# KiCad board z80.kicad_pcb
title: z80 Main Board; date: 2023-11-20; rev: 1.0; company: Tristan van de Weg
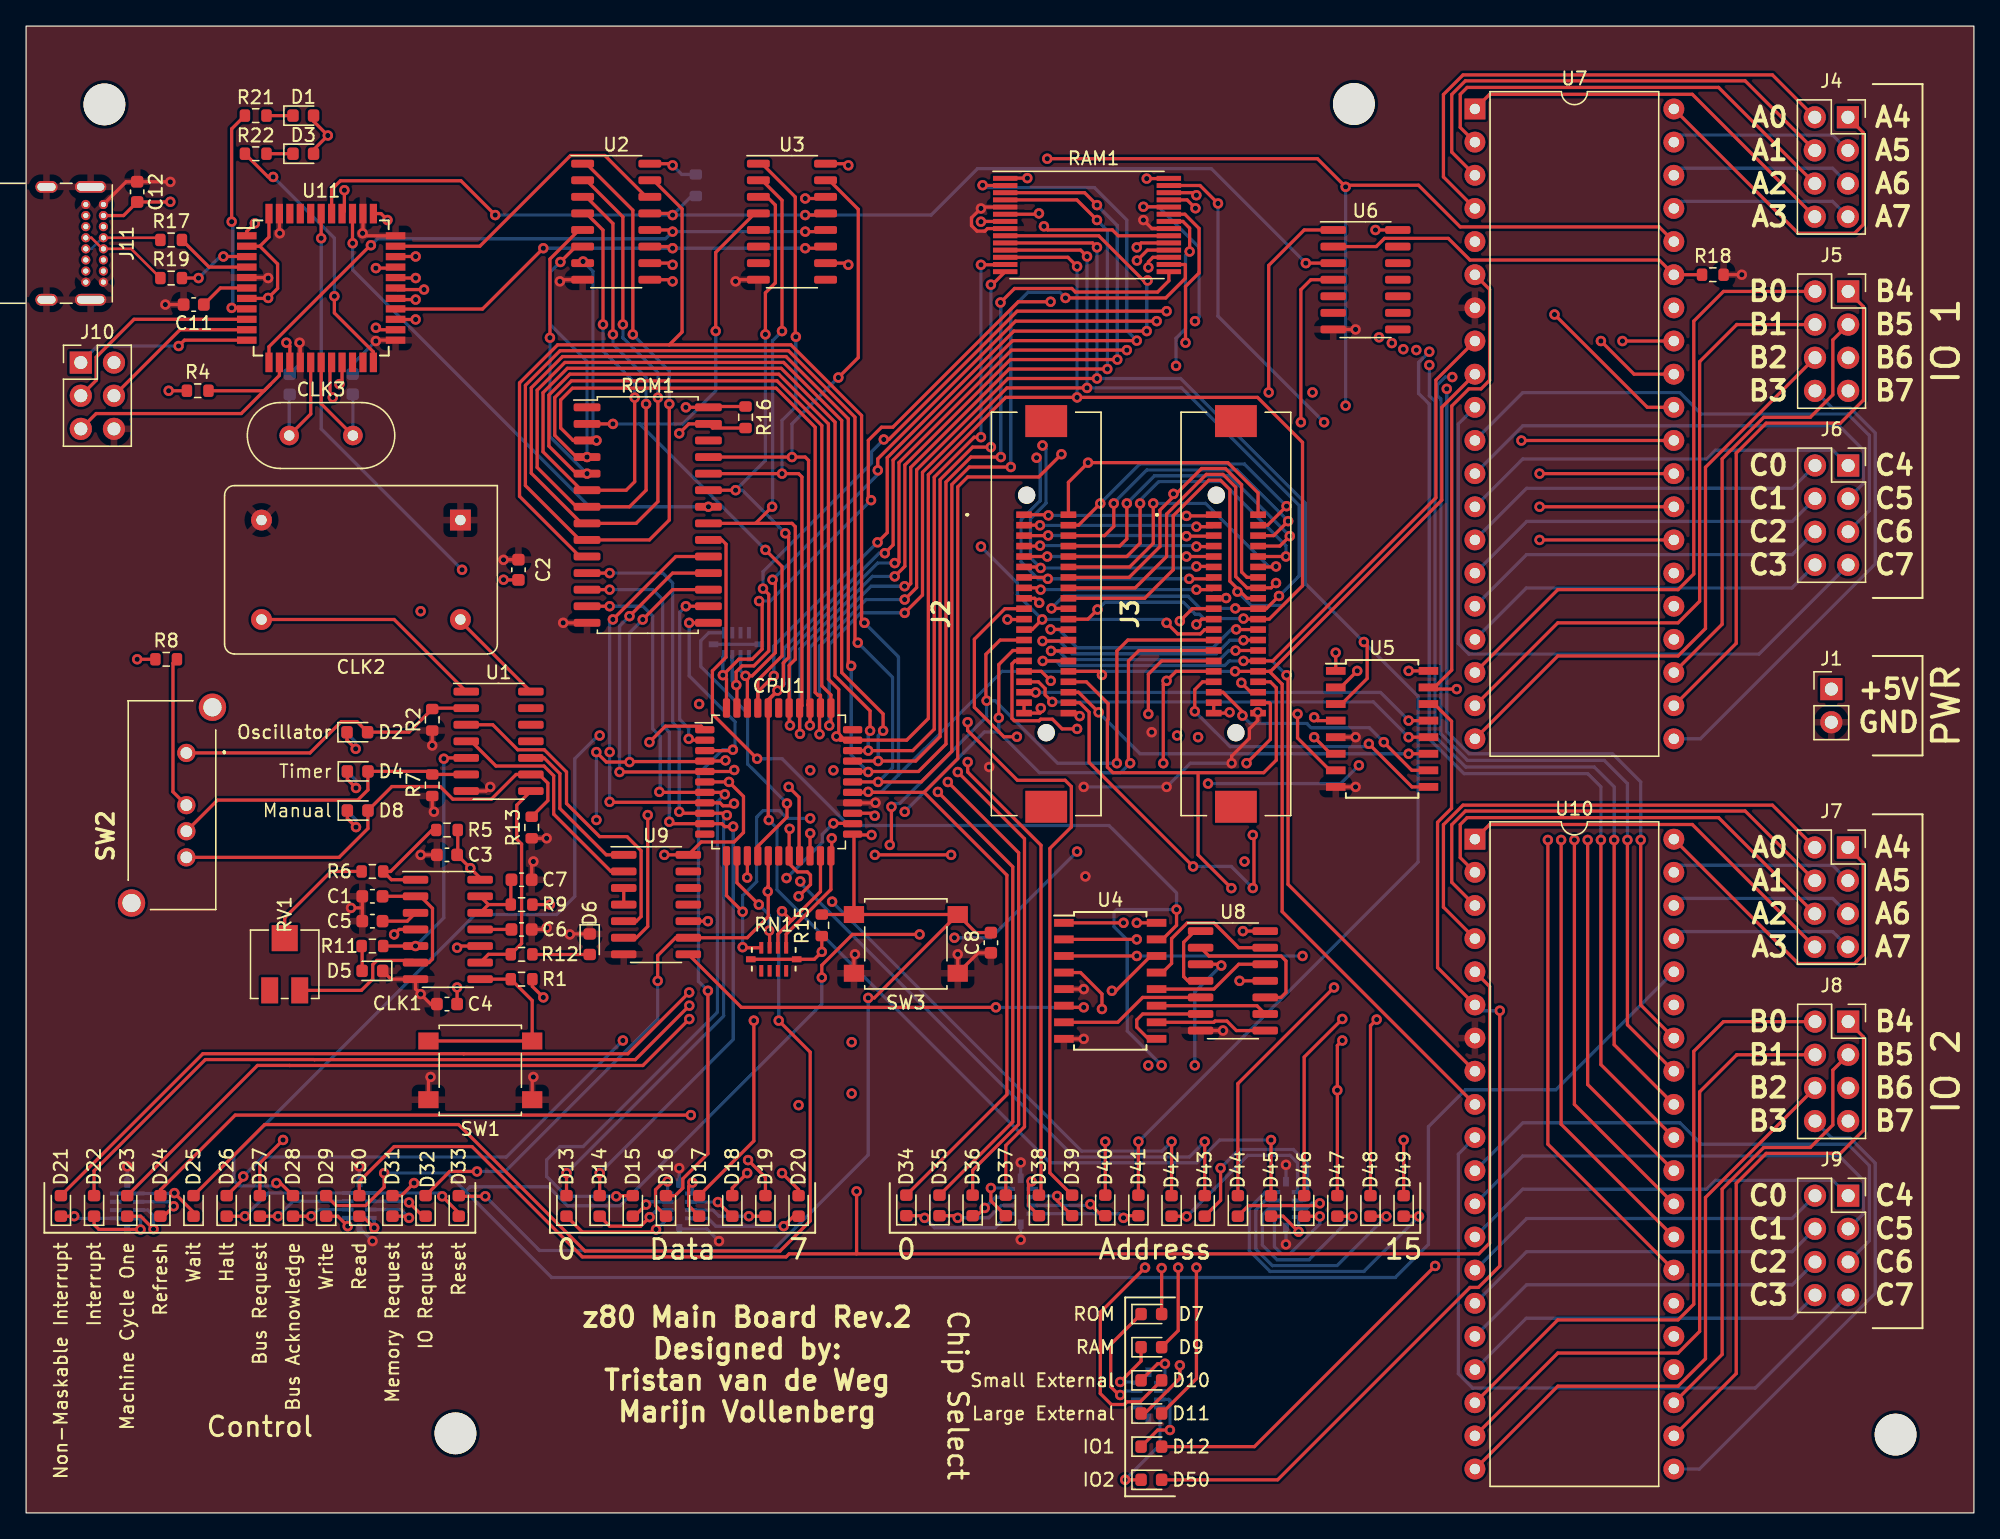
[diagram p0: board, top side]
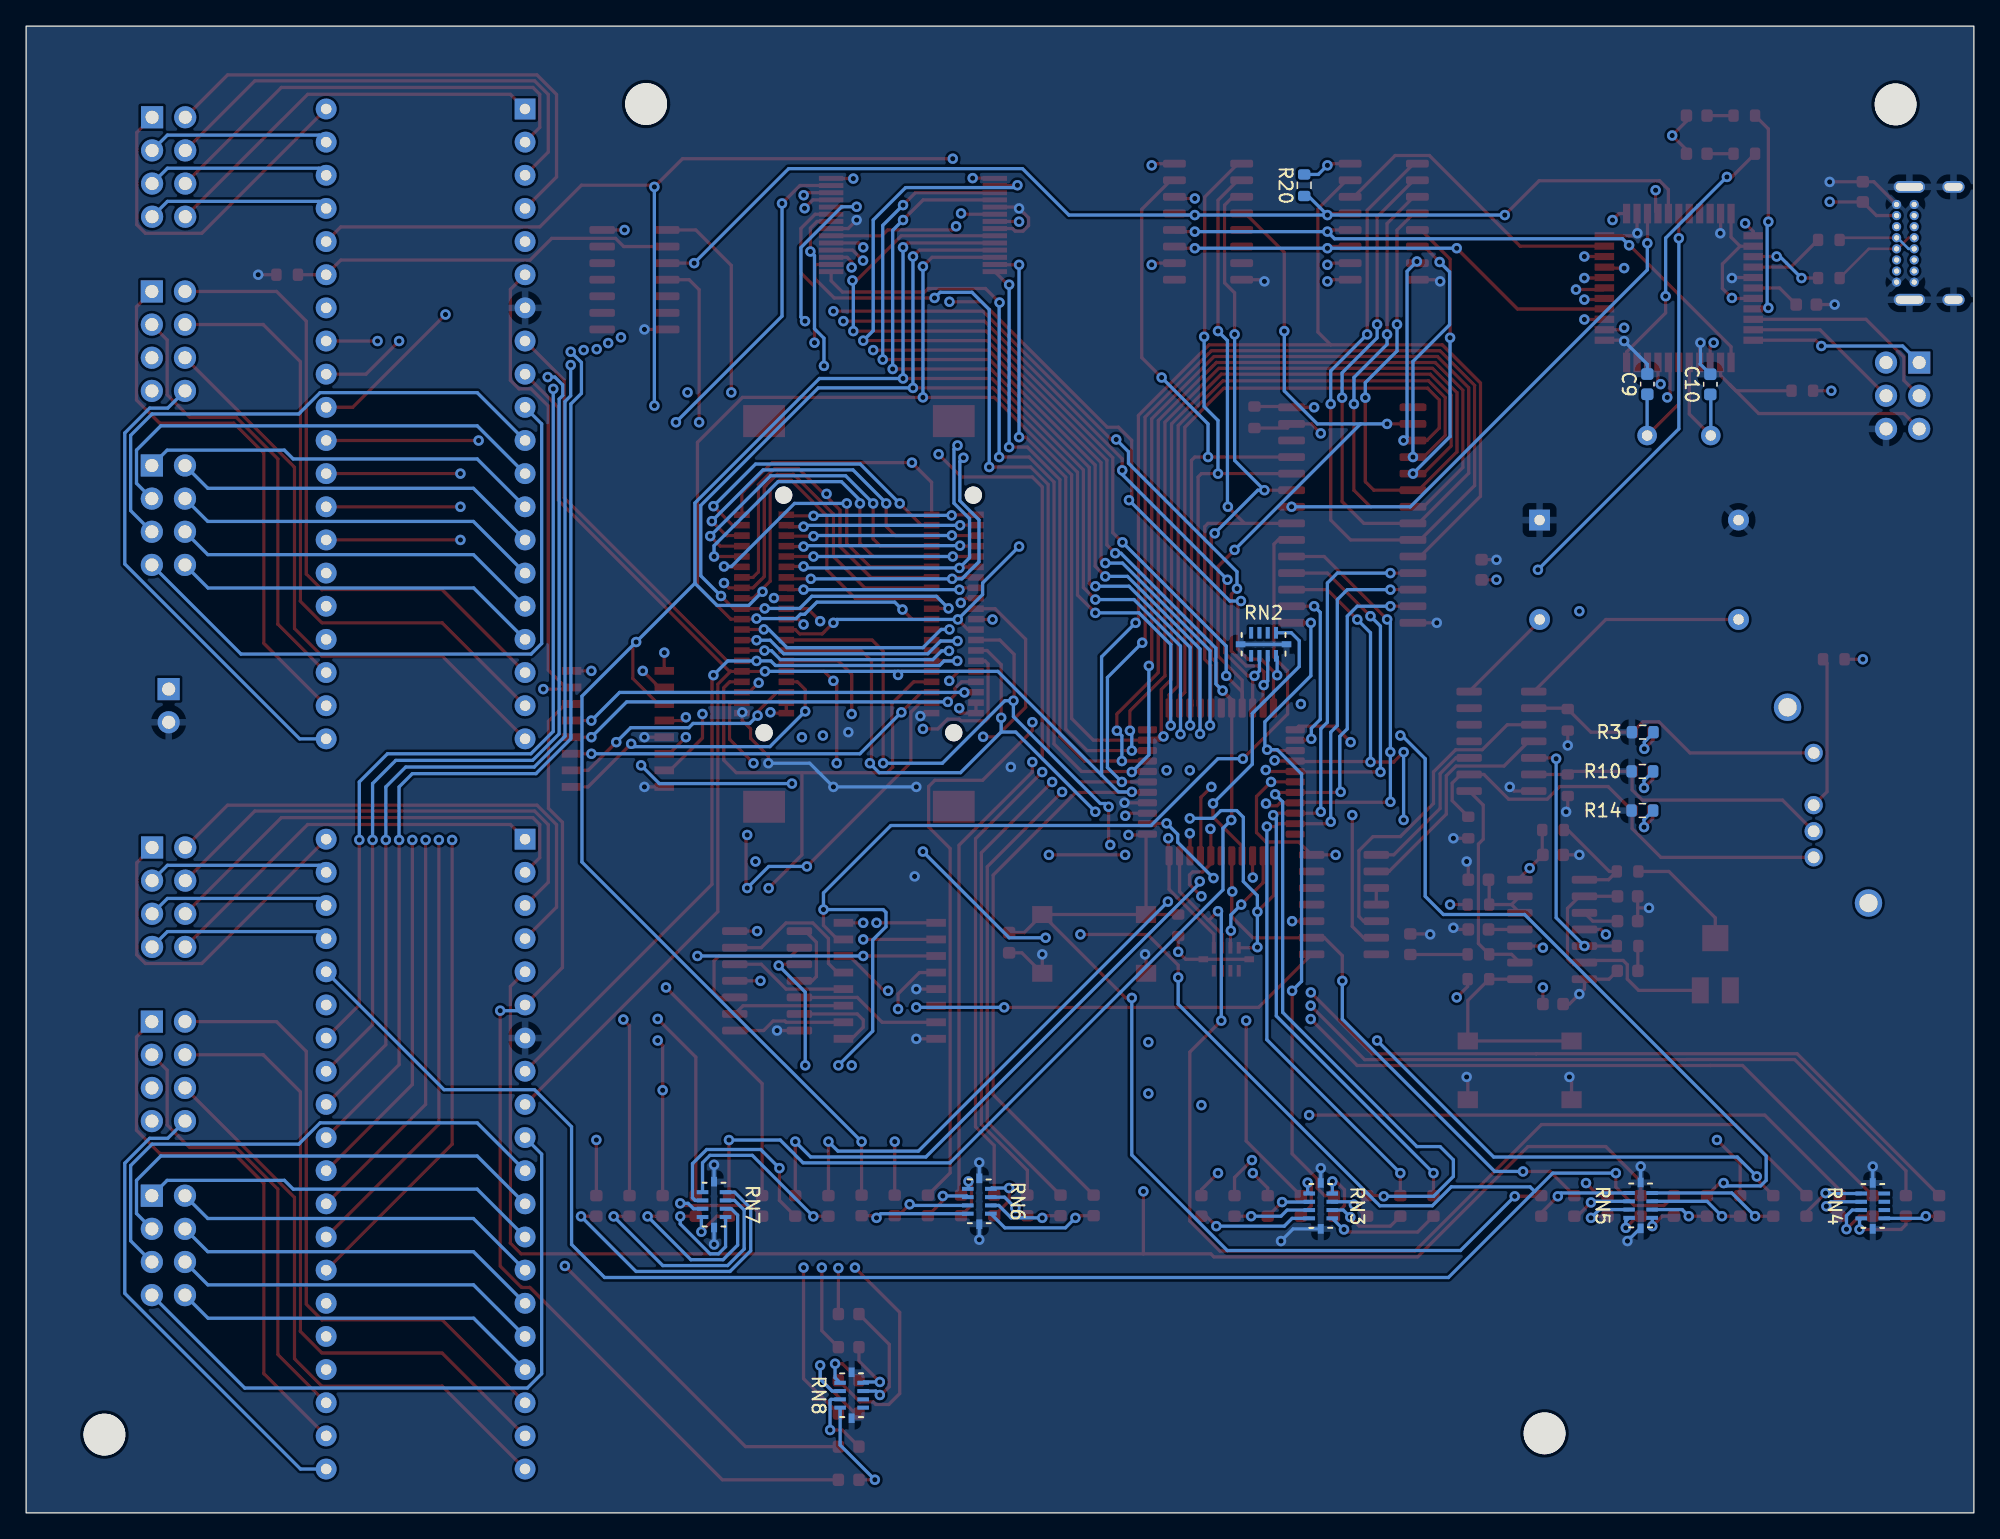
[diagram p1: board, bottom side, seen from below]

Outline 149.23 x 113.92 mm; copper layers: F.Cu-Address, In1.Cu-GND (plane), In2.Cu-5V (plane), B.Cu-Data. Coordinates in mm from the lower left corner of the outline.
Outline path: rectangle 0,113.92 149.23,0
Stack: F.Cu-Address 0.035mm / dielectric 0.1mm FR4 er 4.5 / In1.Cu-GND 0.035mm / dielectric 1.24mm FR4 er 4.5 / In2.Cu-5V 0.035mm / dielectric 0.1mm FR4 er 4.5 / B.Cu-Data 0.035mm

## Placement (name value [footprint] x y rotation side)
C1  1uF  [C_0603_1608Metric]  26.53 47.24 180 top
C2  0.1uF  [C_0603_1608Metric]  37.72 72.26 270 top
C3  0.1uF  [C_0603_1608Metric]  32.25 50.42 0 top
C4  0.1uF  [C_0603_1608Metric]  32.25 38.99 0 top
C5  0.1uF  [C_0603_1608Metric]  26.53 45.34 180 top
C6  0.1uF  [C_0603_1608Metric]  37.96 44.7 0 top
C7  0.1uF  [C_0603_1608Metric]  37.96 48.51 180 top
C8  1uF  [C_0603_1608Metric]  73.91 43.69 90 top
C9  22pF  [C_0603_1608Metric]  25.02 86.49 90 bottom
C10  22pF  [C_0603_1608Metric]  20.19 86.47 90 bottom
C11  1uF  [C_0603_1608Metric]  12.84 92.58 180 top
C12  1uF  [C_0603_1608Metric]  8.51 101.22 270 top
CLK1  NE556  [SOIC-14_3.9x8.7mm_P1.27mm]  32.31 44.7 0 top
CLK2  TFT680  [Oscillator_DIP-14]  33.27 76.07 180 top
CLK3  16MHz  [Crystal_HC49-U_Vertical]  20.16 82.55 0 top
CPU1  Z84C0010AEG  [LQFP-44_10x10mm_P0.8mm]  57.66 56.01 0 top
D1  LED_Red  [LED_0603_1608Metric]  21.23 107.06 0 top
D2  LED_Blue  [LED_0603_1608Metric]  25.37 59.82 0 top
D3  LED_Red  [LED_0603_1608Metric]  21.23 104.14 0 top
D4  LED_Blue  [LED_0603_1608Metric]  25.4 56.82 0 top
D5  LED_Blue  [LED_0603_1608Metric]  26.53 41.53 180 top
D6  LED_Blue  [LED_0603_1608Metric]  43.18 43.57 270 top
D7  LED_Green  [LED_0603_1608Metric]  86.21 15.24 0 top
D8  LED_Blue  [LED_0603_1608Metric]  25.4 53.82 0 top
D9  LED_Green  [LED_0603_1608Metric]  86.21 12.7 0 top
D10  LED_Green  [LED_0603_1608Metric]  86.21 10.16 0 top
D11  LED_Green  [LED_0603_1608Metric]  86.21 7.62 0 top
D12  LED_Green  [LED_0603_1608Metric]  86.21 5.08 0 top
D13  LED_Yellow  [LED_0603_1608Metric]  41.4 23.52 90 top
D14  LED_Yellow  [LED_0603_1608Metric]  43.94 23.52 90 top
D15  LED_Yellow  [LED_0603_1608Metric]  46.48 23.52 90 top
D16  LED_Yellow  [LED_0603_1608Metric]  49.02 23.52 90 top
D17  LED_Yellow  [LED_0603_1608Metric]  51.56 23.52 90 top
D18  LED_Yellow  [LED_0603_1608Metric]  54.1 23.52 90 top
D19  LED_Yellow  [LED_0603_1608Metric]  56.64 23.52 90 top
D20  LED_Yellow  [LED_0603_1608Metric]  59.18 23.52 90 top
D21  LED_Red  [LED_0603_1608Metric]  2.67 23.52 90 top
D22  LED_Red  [LED_0603_1608Metric]  5.21 23.52 90 top
D23  LED_Red  [LED_0603_1608Metric]  7.75 23.52 90 top
D24  LED_Red  [LED_0603_1608Metric]  10.29 23.52 90 top
D25  LED_Red  [LED_0603_1608Metric]  12.83 23.52 90 top
D26  LED_Red  [LED_0603_1608Metric]  15.37 23.52 90 top
D27  LED_Red  [LED_0603_1608Metric]  17.91 23.52 90 top
D28  LED_Red  [LED_0603_1608Metric]  20.45 23.52 90 top
D29  LED_Red  [LED_0603_1608Metric]  22.99 23.52 90 top
D30  LED_Red  [LED_0603_1608Metric]  25.53 23.52 90 top
D31  LED_Red  [LED_0603_1608Metric]  28.07 23.52 90 top
D32  LED_Red  [LED_0603_1608Metric]  30.61 23.52 90 top
D33  LED_Red  [LED_0603_1608Metric]  33.15 23.52 90 top
D34  LED_Yellow  [LED_0603_1608Metric]  67.44 23.56 90 top
D35  LED_Yellow  [LED_0603_1608Metric]  69.98 23.56 90 top
D36  LED_Yellow  [LED_0603_1608Metric]  72.52 23.56 90 top
D37  LED_Yellow  [LED_0603_1608Metric]  75.06 23.56 90 top
D38  LED_Yellow  [LED_0603_1608Metric]  77.6 23.56 90 top
D39  LED_Yellow  [LED_0603_1608Metric]  80.14 23.56 90 top
D40  LED_Yellow  [LED_0603_1608Metric]  82.68 23.56 90 top
D41  LED_Yellow  [LED_0603_1608Metric]  85.22 23.56 90 top
D42  LED_Yellow  [LED_0603_1608Metric]  87.76 23.52 90 top
D43  LED_Yellow  [LED_0603_1608Metric]  90.3 23.52 90 top
D44  LED_Yellow  [LED_0603_1608Metric]  92.84 23.52 90 top
D45  LED_Yellow  [LED_0603_1608Metric]  95.38 23.52 90 top
D46  LED_Yellow  [LED_0603_1608Metric]  97.92 23.52 90 top
D47  LED_Yellow  [LED_0603_1608Metric]  100.46 23.52 90 top
D48  LED_Yellow  [LED_0603_1608Metric]  103 23.52 90 top
D49  LED_Yellow  [LED_0603_1608Metric]  105.54 23.52 90 top
D50  LED_Green  [LED_0603_1608Metric]  86.21 2.54 0 top
J1  PinHeader_Female01x02  [PinHeader_1x02_P2.54mm_Vertical]  138.3 63.12 0 top
J2  PinHeader_Female16x02  [FX2740S08SV]  78.15 68.88 270 top
J3  PinHeader_Female16x02  [FX2740S08SV]  92.69 68.88 270 top
J4  PinHeader_Female04x02  [PinSocket_2x04_P2.54mm_Vertical]  139.57 106.93 0 top
J5  PinHeader_Female04x02  [PinSocket_2x04_P2.54mm_Vertical]  139.59 93.59 0 top
J6  PinHeader_Female04x02  [PinSocket_2x04_P2.54mm_Vertical]  139.59 80.25 0 top
J7  PinHeader_Female04x02  [PinSocket_2x04_P2.54mm_Vertical]  139.57 50.99 0 top
J8  PinHeader_Female04x02  [PinSocket_2x04_P2.54mm_Vertical]  139.59 37.64 0 top
J9  PinHeader_Female04x02  [PinSocket_2x04_P2.54mm_Vertical]  139.59 24.31 0 top
J10  Conn_02x03_Counter_Clockwise  [PinHeader_2x03_P2.54mm_Vertical]  4.19 88.14 0 top
J11  USB_C_Receptacle_USB2.0  [USB_C_Receptacle_GCT_USB4085]  5.92 100.25 270 top
R1  1K  [R_0603_1608Metric]  37.96 40.89 180 top
R2  10K  [R_0603_1608Metric]  31.11 60.77 90 top
R3  1K  [R_0603_1608Metric]  25.37 59.82 0 bottom
R4  10K  [R_0603_1608Metric]  13.14 85.98 0 top
R5  1K  [R_0603_1608Metric]  32.25 52.32 180 top
R6  1K  [R_0603_1608Metric]  26.53 49.15 0 top
R7  10K  [R_0603_1608Metric]  31.11 55.75 90 top
R8  1K  [R_0603_1608Metric]  10.73 65.41 0 top
R9  2M  [R_0603_1608Metric]  37.96 46.61 180 top
R10  1K  [R_0603_1608Metric]  25.4 56.82 0 bottom
R11  10K  [R_0603_1608Metric]  26.53 43.43 0 top
R12  10K  [R_0603_1608Metric]  37.96 42.8 0 top
R13  10K  [R_0603_1608Metric]  38.73 52.51 90 top
R14  1K  [R_0603_1608Metric]  25.4 53.82 0 bottom
R15  1K  [R_0603_1608Metric]  60.96 45.02 270 top
R16  10K  [R_0603_1608Metric]  55.12 83.95 270 top
R17  22R  [R_0603_1608Metric]  11.11 97.54 0 top
R18  10K  [R_0603_1608Metric]  129.22 94.87 0 top
R19  22R  [R_0603_1608Metric]  11.11 94.62 0 top
R20  10K  [R_0603_1608Metric]  51.31 101.73 90 bottom
R21  1K  [R_0603_1608Metric]  17.59 107.06 180 top
R22  1K  [R_0603_1608Metric]  17.59 104.14 180 top
RAM1  HM62256BLP  [TSOP-I-28_11.8x8mm_P0.55mm]  81.28 98.68 0 top
REF**  -  [MountingHole_3.2mm_M3]  6 107.92 0 top
REF**#2  -  [MountingHole_3.2mm_M3]  143.23 6 0 top
REF**#3  -  [MountingHole_3.2mm_M3]  32.89 6.1 0 top
REF**#4  -  [MountingHole_3.2mm_M3]  101.73 107.95 0 top
RN1  EXB-D10C102J  [EXB-D10C103J]  57.28 42.42 180 top
RN2  EXB-D10C102J  [EXB-D10C103J]  54.42 66.55 0 bottom
RN3  EXB-D10C102J  [EXB-D10C103J]  50.04 23.52 90 bottom
RN4  EXB-D10C102J  [EXB-D10C103J]  7.75 23.52 270 bottom
RN5  EXB-D10C102J  [EXB-D10C103J]  25.53 23.56 270 bottom
RN6  EXB-D10C102J  [EXB-D10C103J]  76.2 23.88 90 bottom
RN7  EXB-D10C102J  [EXB-D10C103J]  96.52 23.62 270 bottom
RN8  EXB-D10C102J  [EXB-D10C103J]  85.98 9.02 90 bottom
ROM1  AT28C64B-15SU  [SOIC-28W_7.5x17.9mm_P1.27mm]  47.63 76.45 0 top
RV1  1M  [Potentiometer_Vishay_TS53YJ_Vertical]  19.81 42.04 270 top
SW1  SW_Push  [SW_SPST_B3S-1000]  34.8 33.91 180 top
SW2  SW_SP3T  [MHS133G04]  12.28 58.23 90 top
SW3  SW_Push  [SW_SPST_B3S-1000]  67.4 43.6 180 top
U1  4081  [SO-14_3.9x8.65mm_P1.27mm]  36.2 59.12 0 top
U2  74HC595  [SO-16_3.9x9.9mm_P1.27mm]  45.21 98.93 0 top
U3  74HC595  [SO-16_3.9x9.9mm_P1.27mm]  58.67 98.93 0 top
U4  SN74HC138N  [SOIC-16W_5.3x10.2mm_P1.27mm]  83.06 40.77 0 top
U5  SN74HC138N  [SOIC-16W_5.3x10.2mm_P1.27mm]  103.89 60.07 0 top
U6  4069  [SOIC-14_3.9x8.7mm_P1.27mm]  102.62 94.49 0 top
U7  82C55A  [DIP-40_W15.24mm]  111 107.57 0 top
U8  4081  [SO-14_3.9x8.65mm_P1.27mm]  92.46 40.77 0 top
U9  74LS32  [SOIC-14_3.9x8.7mm_P1.27mm]  48.26 46.61 0 top
U10  82C55A  [DIP-40_W15.24mm]  111 51.62 0 top
U11  ATmega32U4RC-A  [TQFP-44_10x10mm_P0.8mm]  22.61 93.85 0 top

## Library data of the parts
C1-C12 = -: Description: Unpolarized capacitor, small symbol
CLK1 = -: Description: Dual Precision Timers, DIP-14/SOIC-14
CLK2 = -: Description: Crystal Clock Oscillator, DIP14-style metal package
CLK3 = -: Description: Two pin crystal
CPU1 = -: Description: 8-bit General Purpose Microprocessor, DIP-40
D1-D4 D7-D50 = -: Description: Light emitting diode, small symbol
D5 D6 = -: Description: Light emitting diode
J1 = -: Description: Generic screw terminal, single row, 01x02, script generated (kicad-library-utils/schlib/autogen/connector/)
J2 J3 = -: Description: Generic connector, double row, 02x20, top/bottom pin numbering scheme (row 1: 1...pins_per_row, row2: pins_per_row+1 ... num_pins), script generated (kicad-library-utils/schlib/autogen/connector/)
J4-J9 = -: Description: Generic connector, double row, 02x04, top/bottom pin numbering scheme (row 1: 1...pins_per_row, row2: pins_per_row+1 ... num_pins), script generated (kicad-library-utils/schlib/autogen/connector/)
J10 = -: Description: Generic connector, double row, 02x03, odd/even pin numbering scheme (row 1 odd numbers, row 2 even numbers), script generated (kicad-library-utils/schlib/autogen/connector/)
J11 = -: Description: USB 2.0-only Type-C Receptacle connector
R1-R22 = -: Description: Resistor, small symbol
RAM1 = -: Description: 32,768-word × 8-bit High Speed CMOS Static RAM, 70ns, DIP-28
RN1-RN8 = -: Description: 8 resistor network, star topology, bussed resistors, small symbol
ROM1 = -: Description: Parallel 8x8KB EEPROM
RV1 = -: Description: Potentiometer
SW1 SW3 = -: Description: Push button switch, generic, two pins
SW2 = -: Description: Switch, three position, single pole triple throw, 3 position switch, SP3T
U1 U8 = -: Description: Quad And 2 inputs
U2 U3 = -: Description: 8-bit serial in/out Shift Register 3-State Outputs
U6 = -: Description: Hex inverter
U7 U10 = -: Description: CHMOS Programmable Peripheral Interface, PDIP-40
U9 = -: Description: Quad 2-input OR
U11 = -: Description: 16MHz, 32kB Flash, 2.5kB SRAM, 1kB EEPROM, USB 2.0, RC Osc, TQFP-44

## Footprints (pads in the part's own frame, mm; a bottom-side part is the same pattern mirrored in y, then rotated)
C_0603_1608Metric
  rrect 0.9x0.95 smd: 1(-0.775,0) 2(0.775,0)
Crystal_HC49-U_Vertical
  round 1.5 hole 0.8: 1(0,0) 2(4.88,0)
DIP-40_W15.24mm
  rect 1.6x1.6 hole 0.8: 1(0,0)
  oval 1.6x1.6 hole 0.8: 2(0,-2.54) 3(0,-5.08) 4(0,-7.62) 5(0,-10.16) 6(0,-12.7) 7(0,-15.24) 8(0,-17.78) 9(0,-20.32) 10(0,-22.86) 11(0,-25.4) 12(0,-27.94) 13(0,-30.48) 14(0,-33.02) 15(0,-35.56) 16(0,-38.1) 17(0,-40.64) 18(0,-43.18) 19(0,-45.72) 20(0,-48.26) 21(15.24,-48.26) 22(15.24,-45.72) 23(15.24,-43.18) 24(15.24,-40.64) 25(15.24,-38.1) 26(15.24,-35.56) 27(15.24,-33.02) 28(15.24,-30.48) 29(15.24,-27.94) 30(15.24,-25.4) 31(15.24,-22.86) 32(15.24,-20.32) 33(15.24,-17.78) 34(15.24,-15.24) 35(15.24,-12.7) 36(15.24,-10.16) 37(15.24,-7.62) 38(15.24,-5.08) 39(15.24,-2.54) 40(15.24,0)
EXB-D10C103J
  rect 0.736x0.459 smd: 1(-1.759,0) 1(1.759,0)
  rect 0.306x0.888 smd: 2(-0.953,-0.882) 3(-0.318,-0.882) 4(0.318,-0.882) 5(0.953,-0.882) 6(0.953,0.882) 7(0.318,0.882) 8(-0.318,0.882) 9(-0.953,0.882)
FX2740S08SV
  round 1.32 hole 1.32 unplated: (-9.1,-1.5) (9.1,0)
  rect 0.5x1.2 smd: 1(-7.6,-1.7) 2(-6.8,-1.7) 3(-6,-1.7) 4(-5.2,-1.7) 5(-4.4,-1.7) 6(-3.6,-1.7) 7(-2.8,-1.7) 8(-2,-1.7) 9(-1.2,-1.7) 10(-0.4,-1.7) 11(0.4,-1.7) 12(1.2,-1.7) 13(2,-1.7) 14(2.8,-1.7) 15(3.6,-1.7) 16(4.4,-1.7) 17(5.2,-1.7) 18(6,-1.7) 19(6.8,-1.7) 20(7.6,-1.7) 21(-7.6,1.7) 22(-6.8,1.7) 23(-6,1.7) 24(-5.2,1.7) 25(-4.4,1.7) 26(-3.6,1.7) 27(-2.8,1.7) 28(-2,1.7) 29(-1.2,1.7) 30(-0.4,1.7) 31(0.4,1.7) 32(1.2,1.7) 33(2,1.7) 34(2.8,1.7) 35(3.6,1.7) 36(4.4,1.7) 37(5.2,1.7) 38(6,1.7) 39(6.8,1.7) 40(7.6,1.7)
  rect 2.45x3.2 smd: MP1(-14.775,0) MP2(14.775,0)
LED_0603_1608Metric
  rrect 0.875x0.95 smd: 1(-0.787,0) 2(0.787,0)
LQFP-44_10x10mm_P0.8mm
  rrect 1.475x0.55 smd: 1(-5.662,4) 2(-5.662,3.2) 3(-5.662,2.4) 4(-5.662,1.6) 5(-5.662,0.8) 6(-5.662,0) 7(-5.662,-0.8) 8(-5.662,-1.6) 9(-5.662,-2.4) 10(-5.662,-3.2) 11(-5.662,-4) 23(5.662,-4) 24(5.662,-3.2) 25(5.662,-2.4) 26(5.662,-1.6) 27(5.662,-0.8) 28(5.662,0) 29(5.662,0.8) 30(5.662,1.6) 31(5.662,2.4) 32(5.662,3.2) 33(5.662,4)
  rrect 0.55x1.475 smd: 12(-4,-5.662) 13(-3.2,-5.662) 14(-2.4,-5.662) 15(-1.6,-5.662) 16(-0.8,-5.662) 17(0,-5.662) 18(0.8,-5.662) 19(1.6,-5.662) 20(2.4,-5.662) 21(3.2,-5.662) 22(4,-5.662) 34(4,5.662) 35(3.2,5.662) 36(2.4,5.662) 37(1.6,5.662) 38(0.8,5.662) 39(0,5.662) 40(-0.8,5.662) 41(-1.6,5.662) 42(-2.4,5.662) 43(-3.2,5.662) 44(-4,5.662)
MHS133G04
  round 1.4 hole 0.9: 1(0,0) 2(-4,0) 3(-6,0) 4(-8,0)
  round 2.1 hole 1.4: MH1(3.5,-2) MH2(-11.5,4.2)
MountingHole_3.2mm_M3
  round 3.2 hole 3.2 unplated: (0,0)
Oscillator_DIP-14
  rect 1.6x1.6 hole 0.8: 1(0,0)
  round 1.6 hole 0.8: 7(15.24,0) 8(15.24,7.62) 14(0,7.62)
PinHeader_1x02_P2.54mm_Vertical
  rect 1.7x1.7 hole 1: 1(0,0)
  oval 1.7x1.7 hole 1: 2(0,-2.54)
PinHeader_2x03_P2.54mm_Vertical
  rect 1.7x1.7 hole 1: 1(0,0)
  oval 1.7x1.7 hole 1: 2(2.54,0) 3(0,-2.54) 4(2.54,-2.54) 5(0,-5.08) 6(2.54,-5.08)
PinSocket_2x04_P2.54mm_Vertical
  rect 1.7x1.7 hole 1: 1(0,0)
  oval 1.7x1.7 hole 1: 2(-2.54,0) 3(0,-2.54) 4(-2.54,-2.54) 5(0,-5.08) 6(-2.54,-5.08) 7(0,-7.62) 8(-2.54,-7.62)
Potentiometer_Vishay_TS53YJ_Vertical
  rect 2x1.3 smd: 1(2,1.15) 3(2,-1.15)
  rect 2x2 smd: 2(-2,0)
R_0603_1608Metric
  rrect 0.8x0.95 smd: 1(-0.825,0) 2(0.825,0)
SO-14_3.9x8.65mm_P1.27mm
  rrect 1.95x0.6 smd: 1(-2.475,3.81) 2(-2.475,2.54) 3(-2.475,1.27) 4(-2.475,0) 5(-2.475,-1.27) 6(-2.475,-2.54) 7(-2.475,-3.81) 8(2.475,-3.81) 9(2.475,-2.54) 10(2.475,-1.27) 11(2.475,0) 12(2.475,1.27) 13(2.475,2.54) 14(2.475,3.81)
SO-16_3.9x9.9mm_P1.27mm
  rrect 1.75x0.6 smd: 1(-2.575,4.445) 2(-2.575,3.175) 3(-2.575,1.905) 4(-2.575,0.635) 5(-2.575,-0.635) 6(-2.575,-1.905) 7(-2.575,-3.175) 8(-2.575,-4.445) 9(2.575,-4.445) 10(2.575,-3.175) 11(2.575,-1.905) 12(2.575,-0.635) 13(2.575,0.635) 14(2.575,1.905) 15(2.575,3.175) 16(2.575,4.445)
SOIC-14_3.9x8.7mm_P1.27mm
  rrect 1.95x0.6 smd: 1(-2.475,3.81) 2(-2.475,2.54) 3(-2.475,1.27) 4(-2.475,0) 5(-2.475,-1.27) 6(-2.475,-2.54) 7(-2.475,-3.81) 8(2.475,-3.81) 9(2.475,-2.54) 10(2.475,-1.27) 11(2.475,0) 12(2.475,1.27) 13(2.475,2.54) 14(2.475,3.81)
SOIC-16W_5.3x10.2mm_P1.27mm
  rect 1.5x0.6 smd: 1(-3.55,4.445) 2(-3.55,3.175) 3(-3.55,1.905) 4(-3.55,0.635) 5(-3.55,-0.635) 6(-3.55,-1.905) 7(-3.55,-3.175) 8(-3.55,-4.445) 9(3.55,-4.445) 10(3.55,-3.175) 11(3.55,-1.905) 12(3.55,-0.635) 13(3.55,0.635) 14(3.55,1.905) 15(3.55,3.175) 16(3.55,4.445)
SOIC-28W_7.5x17.9mm_P1.27mm
  rrect 2.05x0.6 smd: 1(-4.65,8.255) 2(-4.65,6.985) 3(-4.65,5.715) 4(-4.65,4.445) 5(-4.65,3.175) 6(-4.65,1.905) 7(-4.65,0.635) 8(-4.65,-0.635) 9(-4.65,-1.905) 10(-4.65,-3.175) 11(-4.65,-4.445) 12(-4.65,-5.715) 13(-4.65,-6.985) 14(-4.65,-8.255) 15(4.65,-8.255) 16(4.65,-6.985) 17(4.65,-5.715) 18(4.65,-4.445) 19(4.65,-3.175) 20(4.65,-1.905) 21(4.65,-0.635) 22(4.65,0.635) 23(4.65,1.905) 24(4.65,3.175) 25(4.65,4.445) 26(4.65,5.715) 27(4.65,6.985) 28(4.65,8.255)
SW_SPST_B3S-1000
  rect 1.55x1.3 smd: 1(-3.975,2.25) 1(3.975,2.25) 2(-3.975,-2.25) 2(3.975,-2.25)
TQFP-44_10x10mm_P0.8mm
  rect 1.5x0.55 smd: 1(-5.7,4) 2(-5.7,3.2) 3(-5.7,2.4) 4(-5.7,1.6) 5(-5.7,0.8) 6(-5.7,0) 7(-5.7,-0.8) 8(-5.7,-1.6) 9(-5.7,-2.4) 10(-5.7,-3.2) 11(-5.7,-4) 23(5.7,-4) 24(5.7,-3.2) 25(5.7,-2.4) 26(5.7,-1.6) 27(5.7,-0.8) 28(5.7,0) 29(5.7,0.8) 30(5.7,1.6) 31(5.7,2.4) 32(5.7,3.2) 33(5.7,4)
  rect 0.55x1.5 smd: 12(-4,-5.7) 13(-3.2,-5.7) 14(-2.4,-5.7) 15(-1.6,-5.7) 16(-0.8,-5.7) 17(0,-5.7) 18(0.8,-5.7) 19(1.6,-5.7) 20(2.4,-5.7) 21(3.2,-5.7) 22(4,-5.7) 34(4,5.7) 35(3.2,5.7) 36(2.4,5.7) 37(1.6,5.7) 38(0.8,5.7) 39(0,5.7) 40(-0.8,5.7) 41(-1.6,5.7) 42(-2.4,5.7) 43(-3.2,5.7) 44(-4,5.7)
TSOP-I-28_11.8x8mm_P0.55mm
  rect 1.87x0.38 smd: 1(-6.27,-0.275) 2(-6.27,-0.825) 3(-6.27,-1.375) 4(-6.27,-1.925) 5(-6.27,-2.475) 6(-6.27,-3.025) 7(-6.27,-3.575) 8(6.27,-3.575) 9(6.27,-3.025) 10(6.27,-2.475) 11(6.27,-1.925) 12(6.27,-1.375) 13(6.27,-0.825) 14(6.27,-0.275) 15(6.27,0.275) 16(6.27,0.825) 17(6.27,1.375) 18(6.27,1.925) 19(6.27,2.475) 20(6.27,3.025) 21(6.27,3.575) 22(-6.27,3.575) 23(-6.27,3.025) 24(-6.27,2.475) 25(-6.27,1.925) 26(-6.27,1.375) 27(-6.27,0.825) 28(-6.27,0.275)
USB_C_Receptacle_GCT_USB4085
  round 0.7 hole 0.4: A1(0,0) A4(0.85,0) A5(1.7,0) A6(2.55,0) A7(3.4,0) A8(4.25,0) A9(5.1,0) A12(5.95,0) B1(5.95,-1.35) B4(5.1,-1.35) B5(4.25,-1.35) B6(3.4,-1.35) B7(2.55,-1.35) B8(1.7,-1.35) B9(0.85,-1.35) B12(0,-1.35)
  oval 0.9x2.4 hole 0.6x2.1: S1(-1.35,-0.98) S1(7.3,-0.98)
  oval 0.9x1.7 hole 0.6x1.4: S1(-1.35,-4.36) S1(7.3,-4.36)

## Nets
+5V: C2.2 C3.2 C4.2 C12.2 CLK1.4 CLK1.10 CLK1.14 CLK2.14 CPU1.6 D1.2 D3.2 J1.1 J2.19 J2.20 J3.19 J3.20 J10.2 J11.A4 J11.A9 J11.B4 J11.B9 R1.1 R4.1 R5.1 R8.1 R9.1 R15.2 R16.1 R20.2 RAM1.28 RN1.1 ROM1.28 U1.14 U2.10 U2.16 U3.10 U3.16 U4.16 U5.16 U6.14 U7.26 U8.14 U9.14 U10.26 U11.2 U11.7 U11.14 U11.24 U11.34 U11.44
GND: C1.2 C2.1 C3.1 C4.1 C5.2 C6.2 C7.1 C8.1 C9.2 C10.2 C11.2 C12.1 CLK1.7 CLK2.1 CLK2.7 CPU1.26 D5.1 D6.1 J1.2 J2.40 J3.40 J10.6 J11.A1 J11.A12 J11.B1 J11.B12 J11.S1 R2.1 R3.2 R7.1 R10.2 R13.1 R14.2 R18.2 RAM1.1 RAM1.14 RAM1.26 RN2.1 RN3.1 RN4.1 RN5.1 RN6.1 RN7.1 RN8.1 ROM1.14 SW1.1 SW3.1 U1.7 U2.8 U3.8 U4.5 U4.8 U5.5 U5.8 U6.7 U7.7 U8.7 U9.7 U10.7 U11.5 U11.15 U11.23 U11.33 U11.35 U11.43
/A0: CPU1.27 D34.2 J2.36 J3.36 RAM1.10 ROM1.10 U2.15 U7.9 U10.9
/A1: CPU1.28 D35.2 J2.35 J3.35 RAM1.9 ROM1.9 U2.1 U7.8 U10.8
/A2: CPU1.29 D36.2 J2.34 J3.34 RAM1.8 ROM1.8 U2.2
/A3: CPU1.30 D37.2 J2.33 J3.33 RAM1.7 ROM1.7 U2.3
/A4: CPU1.31 D38.2 J2.32 J3.32 RAM1.6 ROM1.6 U2.4
/A5: CPU1.32 D39.2 J2.31 J3.31 RAM1.5 ROM1.5 U2.5 U5.1
/A6: CPU1.34 D40.2 J2.30 J3.30 RAM1.4 ROM1.4 U2.6 U5.2
/A7: CPU1.35 D41.2 J2.29 J3.29 RAM1.3 ROM1.3 U2.7 U5.3
/A8: CPU1.36 D42.2 J2.28 J3.28 RAM1.25 ROM1.25 U3.15
/A9: CPU1.37 D43.2 J2.27 J3.27 RAM1.24 ROM1.24 U3.1
/A10: CPU1.38 D44.2 J2.26 J3.26 RAM1.21 ROM1.21 U3.2
/A11: CPU1.40 D45.2 J2.25 J3.25 RAM1.23 ROM1.23 U3.3
/A12: CPU1.41 D46.2 J2.24 J3.24 RAM1.2 ROM1.2 U3.4
/A13: CPU1.42 D47.2 J2.23 J3.23 RN2.7 U4.1
/A14: CPU1.43 D48.2 J2.22 J3.22 RN2.8 U4.2
/A15: CPU1.44 D49.2 J2.21 J3.21 RN2.9 U4.3
/AdjClk: CLK1.5 R11.2 U1.5
/AdjOUT: U1.4 U9.2
/BUSACK: CPU1.20 D28.2 U11.39
/BUSRQ: CPU1.22 D27.2 RN1.2 U11.30
/D0: CPU1.9 D13.2 J2.8 J3.8 RAM1.11 ROM1.11 U7.34 U10.34 U11.19
/D1: CPU1.10 D14.2 J2.7 J3.7 RAM1.12 ROM1.12 U7.33 U10.33 U11.18
/D2: CPU1.7 D15.2 J2.6 J3.6 RAM1.13 ROM1.13 U7.32 U10.32 U11.25
/D3: CPU1.3 D16.2 J2.5 J3.5 RAM1.15 ROM1.15 U7.31 U10.31 U11.31
/D4: CPU1.2 D17.2 J2.4 J3.4 RAM1.16 ROM1.16 U7.30 U10.30 U11.27
/D5: CPU1.4 D18.2 J2.3 J3.3 RAM1.17 ROM1.17 U7.29 U10.29 U11.1
/D6: CPU1.5 D19.2 J2.2 J3.2 RAM1.18 ROM1.18 U7.28 U10.28 U11.28
/D7: CPU1.8 D20.2 J2.1 J3.1 RAM1.19 ROM1.19 U7.27 U10.27 U11.29
/EXT-CS: D11.2 J2.37 J3.37 U8.3
/EXT-CS2: D10.2 J2.39 J3.39 U8.11
/EXT-IO1-CS: J2.18 U5.13
/EXT-IO2-CS: J2.17 U5.12
/EXT-IO3-CS: J2.38 U5.11
/EXT-IO4-CS: J3.18 U5.10
/EXT-IO5-CS: J3.17 U5.9
/EXT-IO6-CS: J3.38 U5.7
/FstClk: CLK2.8 U1.1
/FstOUT: U1.3 U9.5
/HALT: CPU1.14 D26.2
/INT: CPU1.12 D22.2 J2.14 J3.14 RN1.5
/IO1-CS: D12.2 U5.15 U7.6
/IO2-CS: D50.2 U5.14 U10.6
/IOREQ: U4.6 U5.4 U9.8
/IORQ: CPU1.16 D32.2 J2.10 J3.10 U9.9
/M1: CPU1.24 D23.2
/ManClk: CLK1.9 R12.1 U1.8
/ManOUT: U1.10 U9.1
/MISO: J10.1 U11.11
/MOSI: J10.4 U11.10
/MREQ: CPU1.15 D31.2 J2.11 J3.11 RN2.2 U4.4 U5.6
/NMI: CPU1.13 D21.2 J2.15 J3.15 RN1.4
/PROG-OE: R20.1 U2.13 U3.13 U6.3 U11.38
/PROG-WR: R16.2 ROM1.27 U11.37
/ProgReset: J10.5 R4.2 U11.13
/RAM1-CS: D9.2 RAM1.20 U4.14
/RCLK: U2.12 U3.12 U11.12
/RD: CPU1.18 D30.2 J2.12 J3.12 RAM1.22 ROM1.22 U7.5 U10.5 U11.36
/RFSH: CPU1.25 D24.2
/ROM1-CS: D7.2 ROM1.20 U4.15
/RST: C8.2 CPU1.23 D33.2 J2.9 J3.9 R15.1 SW3.2 U6.1
/RST-INV: R18.1 U6.2 U7.35 U10.35
/SER: U2.14 U11.32
/SPISCK: J10.3 U11.9
/SRCLK: U2.11 U3.11 U11.26
/USB-D+: J11.A6 J11.B6 R17.1